# KiCad board LTC6811_ESP32_V3.kicad_pcb (continued)
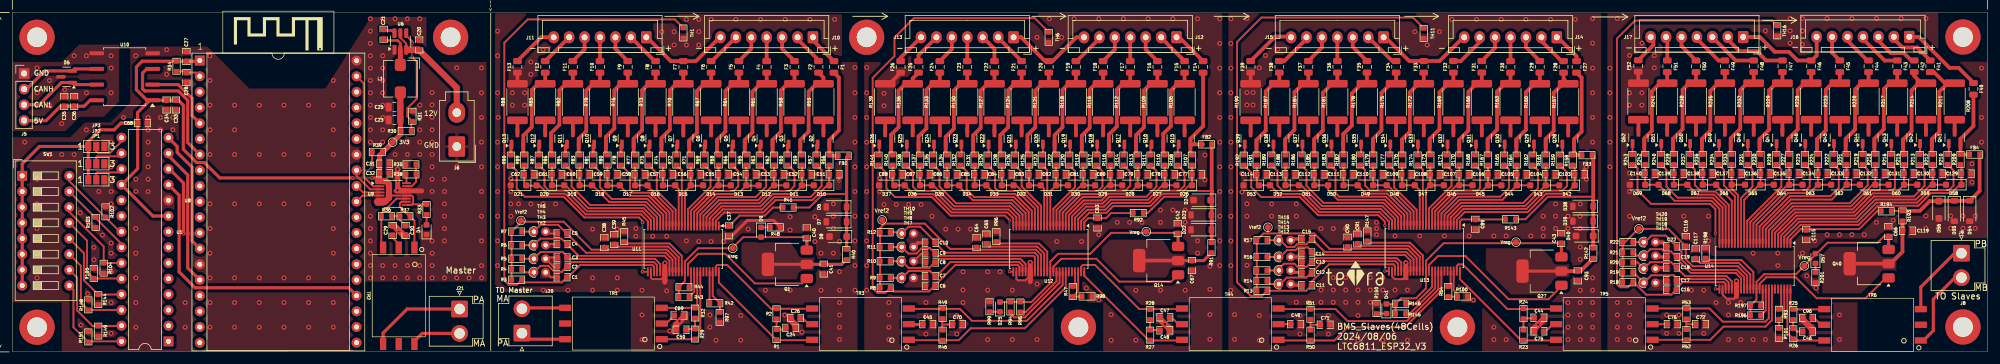
[diagram p0: board, top side]
## Placement (name value [footprint] x y rotation side) (continued)
R86  100R  [R_0603_1608Metric]  87.42 31.06 90 top
R87  3.3K  [R_0603_1608Metric]  85.3 31.06 90 top
R88  36R 1W 2512  [R_2512_6332Metric]  81.83 40.46 270 top
R89  100R  [R_0603_1608Metric]  82.92 31.06 90 top
R90  3.3K  [R_0603_1608Metric]  80.78 31.06 90 top
R91  100R  [R_0603_1608Metric]  194.25 16.86 270 top
R92  100R  [R_0603_1608Metric]  182.4 22.46 180 top
R93  1K  [R_0603_1608Metric]  286.2 6.06 270 top
R94  0  [R_0603_1608Metric]  161.7 7.25 90 top
R95  1M  [R_0603_1608Metric]  163.3 7.25 90 top
R96  0  [R_0603_1608Metric]  159.4 18.66 90 top
R97  1K  [R_0603_1608Metric]  114.6 5.56 270 top
R98  1K  [R_0603_1608Metric]  174.1 8.96 0 top
R99  1.2K  [R_0603_1608Metric]  158.3 7.27 90 top
R100  1K  [R_0603_1608Metric]  234.93 8.96 0 top
R101  1K  [R_0603_1608Metric]  286.2 2.96 270 top
R102  10K  [R_0603_1608Metric]  15.1 22.66 270 top
R103  10K  [R_0603_1608Metric]  13.5 20.96 90 top
R104  10K  [R_0603_1608Metric]  14.8 13.53 90 top
R105  10K  [R_0603_1608Metric]  13.2 12.68 270 top
R106  36R 1W 2512  [R_2512_6332Metric]  189.9 40.46 270 top
R107  100R  [R_0603_1608Metric]  191.1 31.06 90 top
R108  3.3K  [R_0603_1608Metric]  188.8 31.06 90 top
R109  36R 1W 2512  [R_2512_6332Metric]  185.5 40.46 270 top
R110  100R  [R_0603_1608Metric]  186.7 31.06 90 top
R111  3.3K  [R_0603_1608Metric]  184.4 31.06 90 top
R112  36R 1W 2512  [R_2512_6332Metric]  181.1 40.46 270 top
R113  100R  [R_0603_1608Metric]  182.3 31.06 90 top
R114  3.3K  [R_0603_1608Metric]  180 31.06 90 top
R115  36R 1W 2512  [R_2512_6332Metric]  176.7 40.46 270 top
R116  100R  [R_0603_1608Metric]  177.9 31.06 90 top
R117  3.3K  [R_0603_1608Metric]  175.6 31.06 90 top
R118  36R 1W 2512  [R_2512_6332Metric]  172.3 40.46 270 top
R119  100R  [R_0603_1608Metric]  173.5 31.06 90 top
R120  3.3K  [R_0603_1608Metric]  171.2 31.06 90 top
R121  36R 1W 2512  [R_2512_6332Metric]  167.9 40.46 270 top
R122  100R  [R_0603_1608Metric]  169.1 31.06 90 top
R123  3.3K  [R_0603_1608Metric]  166.8 31.06 90 top
R124  36R 1W 2512  [R_2512_6332Metric]  163.5 40.46 270 top
R125  100R  [R_0603_1608Metric]  164.7 31.06 90 top
R126  3.3K  [R_0603_1608Metric]  162.4 31.06 90 top
R127  36R 1W 2512  [R_2512_6332Metric]  159.1 40.46 270 top
R128  100R  [R_0603_1608Metric]  160.3 31.06 90 top
R129  3.3K  [R_0603_1608Metric]  158 31.06 90 top
R130  36R 1W 2512  [R_2512_6332Metric]  154.7 40.46 270 top
R131  100R  [R_0603_1608Metric]  155.9 31.06 90 top
R132  3.3K  [R_0603_1608Metric]  153.6 31.06 90 top
R133  36R 1W 2512  [R_2512_6332Metric]  150.25 40.46 270 top
R134  100R  [R_0603_1608Metric]  151.45 31.06 90 top
R135  3.3K  [R_0603_1608Metric]  149.15 31.06 90 top
R136  36R 1W 2512  [R_2512_6332Metric]  145.85 40.46 270 top
R137  100R  [R_0603_1608Metric]  147.05 31.06 90 top
R138  3.3K  [R_0603_1608Metric]  144.75 31.06 90 top
R139  36R 1W 2512  [R_2512_6332Metric]  141.4 40.46 270 top
R140  100R  [R_0603_1608Metric]  142.6 31.06 90 top
R141  3.3K  [R_0603_1608Metric]  140.3 31.06 90 top
R142  100R  [R_0603_1608Metric]  256.1 15.96 270 top
R143  100R  [R_0603_1608Metric]  242.7 21.46 180 top
R144  10K  [R_0603_1608Metric]  13.9 8.43 90 top
R145  0  [R_0603_1608Metric]  224.9 6.16 180 top
R146  1M  [R_0603_1608Metric]  224.9 7.76 180 top
R147  0  [R_0603_1608Metric]  219.5 18.76 90 top
R148  10K  [R_0603_1608Metric]  12.3 7.58 270 top
R149  10K  [R_0603_1608Metric]  13.9 3.33 90 top
R150  1.2K  [R_0603_1608Metric]  221 6.98 90 top
R151  10K  [R_0603_1608Metric]  12.3 2.38 270 top
R157  36R 1W 2512  [R_2512_6332Metric]  252.05 40.46 270 top
R158  100R  [R_0603_1608Metric]  252.8 31.06 90 top
R159  3.3K  [R_0603_1608Metric]  250.7 31.06 90 top
R160  36R 1W 2512  [R_2512_6332Metric]  247.45 40.46 270 top
R161  100R  [R_0603_1608Metric]  248.4 31.06 90 top
R162  3.3K  [R_0603_1608Metric]  246.3 31.06 90 top
R163  36R 1W 2512  [R_2512_6332Metric]  242.7 40.47 270 top
R164  100R  [R_0603_1608Metric]  243.73 31.06 90 top
R165  3.3K  [R_0603_1608Metric]  241.65 31.06 90 top
R166  36R 1W 2512  [R_2512_6332Metric]  238.05 40.47 270 top
R167  100R  [R_0603_1608Metric]  239.05 31.07 90 top
R168  3.3K  [R_0603_1608Metric]  236.95 31.07 90 top
R169  36R 1W 2512  [R_2512_6332Metric]  233.45 40.47 270 top
R170  100R  [R_0603_1608Metric]  234.4 31.07 90 top
R171  3.3K  [R_0603_1608Metric]  232.3 31.07 90 top
R172  36R 1W 2512  [R_2512_6332Metric]  228.65 40.47 270 top
R173  100R  [R_0603_1608Metric]  229.7 31.07 90 top
R174  3.3K  [R_0603_1608Metric]  227.65 31.07 90 top
R175  36R 1W 2512  [R_2512_6332Metric]  224.18 40.47 270 top
R176  100R  [R_0603_1608Metric]  225.15 31.07 90 top
R177  3.3K  [R_0603_1608Metric]  223.05 31.07 90 top
R178  36R 1W 2512  [R_2512_6332Metric]  219.45 40.47 270 top
R179  100R  [R_0603_1608Metric]  220.45 31.07 90 top
R180  3.3K  [R_0603_1608Metric]  218.35 31.07 90 top
R181  36R 1W 2512  [R_2512_6332Metric]  214.65 40.47 270 top
R182  100R  [R_0603_1608Metric]  215.65 31.07 90 top
R183  3.3K  [R_0603_1608Metric]  213.55 31.07 90 top
R184  36R 1W 2512  [R_2512_6332Metric]  209.95 40.47 270 top
R185  100R  [R_0603_1608Metric]  210.93 31.07 90 top
R186  3.3K  [R_0603_1608Metric]  208.82 31.07 90 top
R187  36R 1W 2512  [R_2512_6332Metric]  205.25 40.47 270 top
R188  100R  [R_0603_1608Metric]  206.25 31.07 90 top
R189  3.3K  [R_0603_1608Metric]  203.95 31.07 90 top
R190  36R 1W 2512  [R_2512_6332Metric]  200.6 40.46 270 top
R191  100R  [R_0603_1608Metric]  201.6 31.06 90 top
R192  3.3K  [R_0603_1608Metric]  199.5 31.06 90 top
R193  100R  [R_0603_1608Metric]  306.2 22 270 top
R194  100R  [R_0603_1608Metric]  303.57 22.76 180 top
R196  0  [R_0603_1608Metric]  282.4 5.86 180 top
R197  1M  [R_0603_1608Metric]  282.4 7.46 180 top
R198  0  [R_0603_1608Metric]  274.3 15.96 90 top
R201  1.2K  [R_0603_1608Metric]  292.1 12.03 270 top
R208  36R 1W 2512  [R_2512_6332Metric]  314.65 40.56 270 top
R209  100R  [R_0603_1608Metric]  315.6 31.16 90 top
R210  3.3K  [R_0603_1608Metric]  313.5 31.16 90 top
R211  36R 1W 2512  [R_2512_6332Metric]  310 40.56 270 top
R212  100R  [R_0603_1608Metric]  311.1 31.16 90 top
R213  3.3K  [R_0603_1608Metric]  309 31.16 90 top
R214  36R 1W 2512  [R_2512_6332Metric]  305.35 40.56 270 top
R215  100R  [R_0603_1608Metric]  306.45 31.16 90 top
R216  3.3K  [R_0603_1608Metric]  304.35 31.16 90 top
R217  36R 1W 2512  [R_2512_6332Metric]  300.7 40.56 270 top
R218  100R  [R_0603_1608Metric]  301.8 31.16 90 top
R219  3.3K  [R_0603_1608Metric]  299.7 31.16 90 top
R220  36R 1W 2512  [R_2512_6332Metric]  296.05 40.56 270 top
R221  100R  [R_0603_1608Metric]  297.15 31.16 90 top
R222  3.3K  [R_0603_1608Metric]  295.05 31.16 90 top
R223  36R 1W 2512  [R_2512_6332Metric]  291.4 40.56 270 top
R224  100R  [R_0603_1608Metric]  292.5 31.16 90 top
R225  3.3K  [R_0603_1608Metric]  290.4 31.16 90 top
R226  36R 1W 2512  [R_2512_6332Metric]  286.75 40.56 270 top
R227  100R  [R_0603_1608Metric]  287.85 31.16 90 top
R228  3.3K  [R_0603_1608Metric]  285.75 31.16 90 top
R229  36R 1W 2512  [R_2512_6332Metric]  282.1 40.56 270 top
R230  100R  [R_0603_1608Metric]  283.2 31.16 90 top
R231  3.3K  [R_0603_1608Metric]  281.1 31.16 90 top
R232  36R 1W 2512  [R_2512_6332Metric]  277.43 40.56 270 top
R233  100R  [R_0603_1608Metric]  278.52 31.16 90 top
R234  3.3K  [R_0603_1608Metric]  276.43 31.16 90 top
R235  36R 1W 2512  [R_2512_6332Metric]  272.75 40.56 270 top
R236  100R  [R_0603_1608Metric]  273.85 31.16 90 top
R237  3.3K  [R_0603_1608Metric]  271.75 31.16 90 top
R238  36R 1W 2512  [R_2512_6332Metric]  268.07 40.56 270 top
R239  100R  [R_0603_1608Metric]  269.18 31.16 90 top
R240  3.3K  [R_0603_1608Metric]  267.07 31.16 90 top
R241  36R 1W 2512  [R_2512_6332Metric]  263.43 40.56 270 top
R242  100R  [R_0603_1608Metric]  264.52 31.16 90 top
R243  3.3K  [R_0603_1608Metric]  262.43 31.13 90 top
SW1  SW_DIP_x08  [SW_DIP_SPSTx08_Slide_9.78x22.5mm_W7.62mm_P2.54mm]  1.6 28.5 0 top
TH1  100K NTC SMD  [R_0603_1608Metric]  108.7 51.66 270 top
TH2  10K NTC  [R_Axial_DIN0204_L3.6mm_D1.6mm_P1.90mm_Vertical]  84.5 12.86 0 top
TH3  10K NTC  [R_Axial_DIN0204_L3.6mm_D1.6mm_P1.90mm_Vertical]  84.5 15.06 0 top
TH4  10K NTC  [R_Axial_DIN0204_L3.6mm_D1.6mm_P1.90mm_Vertical]  84.5 17.26 0 top
TH5  10K NTC  [R_Axial_DIN0204_L3.6mm_D1.6mm_P1.90mm_Vertical]  84.5 19.46 0 top
TH6  100K NTC SMD  [R_0603_1608Metric]  167.9 50.96 270 top
TH7  10K NTC  [R_Axial_DIN0204_L3.6mm_D1.6mm_P1.90mm_Vertical]  144.09 11.96 0 top
TH8  10K NTC  [R_Axial_DIN0204_L3.6mm_D1.6mm_P1.90mm_Vertical]  144.09 14.66 0 top
TH9  10K NTC  [R_Axial_DIN0204_L3.6mm_D1.6mm_P1.90mm_Vertical]  144.09 16.96 0 top
TH10  10K NTC  [R_Axial_DIN0204_L3.6mm_D1.6mm_P1.90mm_Vertical]  144.09 19.16 0 top
TH11  100K NTC SMD  [R_0603_1608Metric]  228.65 51.6 270 top
TH12  10K NTC  [R_Axial_DIN0204_L3.6mm_D1.6mm_P1.90mm_Vertical]  205.19 10.96 0 top
TH13  10K NTC  [R_Axial_DIN0204_L3.6mm_D1.6mm_P1.90mm_Vertical]  205.19 13.16 0 top
TH14  10K NTC  [R_Axial_DIN0204_L3.6mm_D1.6mm_P1.90mm_Vertical]  205.19 15.36 0 top
TH15  10K NTC  [R_Axial_DIN0204_L3.6mm_D1.6mm_P1.90mm_Vertical]  205.19 18.06 0 top
TH16  100K NTC SMD  [R_0603_1608Metric]  285.9 52 270 top
TH17  10K NTC  [R_Axial_DIN0204_L3.6mm_D1.6mm_P1.90mm_Vertical]  264.3 11.16 0 top
TH18  10K NTC  [R_Axial_DIN0204_L3.6mm_D1.6mm_P1.90mm_Vertical]  264.3 13.46 0 top
TH19  10K NTC  [R_Axial_DIN0204_L3.6mm_D1.6mm_P1.90mm_Vertical]  264.3 15.56 0 top
TH20  10K NTC  [R_Axial_DIN0204_L3.6mm_D1.6mm_P1.90mm_Vertical]  264.3 17.76 0 top
TP2  3V3  [TestPoint_Pad_D1.0mm]  61.6 33.96 180 top
TP3  Vreg  [TestPoint_Pad_D1.0mm]  116.7 16.76 0 top
TP4  Vref2  [TestPoint_Pad_D1.0mm]  82.4 21.26 0 top
TP5  Vreg  [TestPoint_Pad_D1.0mm]  183.7 19.46 0 top
TP6  Vref2  [TestPoint_Pad_D1.0mm]  140.9 21.36 0 top
TP7  Vreg  [TestPoint_Pad_D1.0mm]  243.6 17.76 0 top
TP8  Vref2  [TestPoint_Pad_D1.0mm]  203.4 20.16 0 top
TP9  Vreg  [TestPoint_Pad_D1.0mm]  290.3 13.9 0 top
TP10  Vref2  [TestPoint_Pad_D1.0mm]  263.5 19.91 0 top
TR1  -  [HM2108NL]  97.38 4.56 90 top
TR2  -  [HM2108NL]  62.6 9.06 180 top
TR3  -  [HM2108NL]  137.4 4.46 90 top
TR4  -  [HM2108NL]  197.3 4.46 90 top
TR5  -  [HM2108NL]  257.9 4.46 90 top
TR6  -  [HM2108NL]  301.35 4.36 90 top
U1  MCP23S17_SP  [DIP-28_W7.62mm]  25.3 1.67 180 top
U6  LMR51420XDDCR  [SOT-23-6_Handsoldering]  62.86 50.27 90 top
U8  ESP32-DevKitC V4  [ESP32-DevKitc V4_DIP-38_27.9mm×48.2mm]  29.09 0.19 0 top
U9  LTC6820  [MSOP-16_3x4mm_P0.5mm]  61.7 25.56 0 top
U10  ISO1050DUBR  [SOP-8_6.62x9.15mm_P2.54mm]  18.2 44.56 180 top
U11  LTC6811HG-1  [TSSOP-48_6.1x12.5mm_P0.5mm]  108.7 16.66 270 top
U12  LTC6811HG-1  [TSSOP-48_6.1x12.5mm_P0.5mm]  167.9 16.66 270 top
U13  LTC6811HG-1  [TSSOP-48_6.1x12.5mm_P0.5mm]  228.75 16.77 270 top
U14  LTC6811HG-1  [TSSOP-48_6.1x12.5mm_P0.5mm]  282.3 13.86 270 top

## Library data of the parts
C1-C19 C22 C32 C34 C36 C37 C41 C51-C63 C67 C77-C89 C93 C103-C115 C119 C129-C140 = -: Datasheet: https://www.digikey.jp/en/products/detail/samsung-electro-mechanics/CL10B104KC8NNNC/5961291?s=N4IgTCBcDaIMIBkCMAGAQqgLAaTgDgDki4AdEkAXQF8g; Description: 0.1 µF ±10% 100V Ceramic Capacitor X7R 0603 (1608 Metric); MPN: CL10B104KC8NNNC; Link: https://www.digikey.jp/en/products/detail/samsung-electro-mechanics/CL10B104KC8NNNC/5961291?s=N4IgTCBcDaIMIBkCMAGAQqgLAaTgDgDki4QBdAXyA; ki_fp_filters: C_*
C20 = -: Datasheet: https://search.murata.co.jp/Ceramy/image/img/A01X/G101/ENG/GRM188R61E225KA12-01.pdf; Description: 2.2 µF ±10% 25V Ceramic Capacitor X5R 0603 (1608 Metric); MPN: GRM188R61E225KA12D; Link: https://www.digikey.jp/en/products/detail/murata-electronics/GRM188R61E225KA12D/4905349; ki_fp_filters: C_*
C21 C27 C28 C68 = -: Datasheet: https://www.digikey.jp/en/products/detail/samsung-electro-mechanics/CL10B104KC8NNNC/5961291?s=N4IgTCBcDaIMIBkCMAGAQqgLAaTgDgDki4AdEkAXQF8g; Description: 0.1 µF ±10% 100V Ceramic Capacitor X7R 0603 (1608 Metric); Link: https://www.digikey.jp/en/products/detail/samsung-electro-mechanics/CL10B104KC8NNNC/5961291?s=N4IgTCBcDaIMIBkCMAGAQqgLAaTgDgDki4QBdAXyA; MPN: CL10B104KC8NNNC; ki_fp_filters: C_*
C23 C25 = -: Datasheet: https://mm.digikey.com/Volume0/opasdata/d220001/medias/docus/609/CL21A106KOQNNNE_Spec.pdf; Description: 10 µF ±10% 16V Ceramic Capacitor X5R 0805 (2012 Metric); MPN: CL21A106KOQNNNE; Link: https://www.digikey.jp/en/products/detail/samsung-electro-mechanics/CL21A106KOQNNNE/3886754; ki_fp_filters: C_*
C24 C26 C29 C30 C44-C50 C69-C72 C75 C76 C96 = -: Datasheet: https://content.kemet.com/datasheets/KEM_X7R_FT_VW_AUDI.pdf; Description: 10000 pF ±10% 100V Ceramic Capacitor X7R 0603 (1608 Metric); MPN: C0603X103K1RAC3316; Link: https://www.digikey.jp/en/products/detail/kemet/C0603X103K1RAC3316/10315782; ki_fp_filters: C_*
C31 C33 C35 C38 C39 C64 C65 C90 C91 C116 C117 = -: Datasheet: https://mm.digikey.com/Volume0/opasdata/d220001/medias/docus/4562/0603B105K250XD.pdf; Description: 1 µF ±10% 25V Ceramic Capacitor X7R 0603 (1608 Metric); MPN: 0603B105K250XD; Link: https://www.digikey.jp/en/products/detail/nextgen-components/0603B105K250XD/14670931; ki_fp_filters: C_*
C40 C42 C43 C66 = -: Datasheet: https://mm.digikey.com/Volume0/opasdata/d220001/medias/docus/2328/CL10A475KO8NNNC_Spec.pdf; Description: 4.7 µF ±10% 16V Ceramic Capacitor X5R 0603 (1608 Metric); MPN: CL10A475KO8NNNC; 购买链接: https://www.digikey.jp/en/products/detail/samsung-electro-mechanics/CL10A475KO8NNNC/3887442; ki_fp_filters: C_*
D4 D9 D25 D41 D57 = -: Datasheet: https://optoelectronics.liteon.com/upload/download/DS-22-99-0151/LTST-C190KRKT.pdf; Description: Red 631nm LED Indication - Discrete 2V 0603 (1608 Metric); Link: https://www.digikey.jp/en/products/detail/liteon/LTST-C190KRKT/386817; MPN: LTST-C190KRKT; ki_fp_filters: LED* LED_SMD:* LED_THT:*
D5 = -: Datasheet: https://www.infineon.com/dgdl/Infineon-ESD24VS2U-DS-v01_01-en.pdf?fileId=db3a3043340fff53013413a2249d2ff3; Description: 41V Clamp 5A (8/20µs) Ipp Tvs Diode Surface Mount PG-SOT23; MPN: ESD24VS2UE6327HTSA1; Link: https://www.digikey.jp/en/products/detail/infineon-technologies/ESD24VS2UE6327HTSA1/1785650; ki_fp_filters: SOT?23*
D6 D7 D22 D23 D38 D39 D54 D55 = -: Datasheet: https://www.diodes.com/assets/Datasheets/BAV16W_1N4148W.pdf; Description: Diode 100 V 300mA Surface Mount SOD-123; MPN: 1N4148W-7-F; Link: https://www.digikey.jp/en/products/detail/diodes-incorporated/1N4148W-7-F/814371; ki_fp_filters: D*SOD?123*
D8 D24 D40 D56 = -: Datasheet: https://assets.nexperia.com/documents/data-sheet/BZT52H_SER.pdf; Description: Zener Diode 62 V 375 mW ±5% Surface Mount SOD-123F; MPN: BZT52H-C62,115; Link: https://www.digikey.jp/en/products/detail/nexperia-usa-inc/BZT52H-C62-115/1162867; ki_fp_filters: D?SOD?123F*
D10-D21 D26-D37 D42-D53 D58-D69 = -: Datasheet: https://assets.nexperia.com/documents/data-sheet/PDZ-B_SER.pdf; Description: Zener Diode 7.6 V 400 mW ±2% Surface Mount SOD-323; MPN: PDZ7.5BZ; Link: https://www.digikey.jp/en/products/detail/nexperia-usa-inc/PDZ7-5BZ/7495708; ki_fp_filters: TO-???* *_Diode_* *SingleDiode* D_*
F1-F52 = -: Datasheet: https://product.tdk.com/en/system/files?file=dam/doc/product/emc/emc/beads/catalog/beads_automotive_power_mpz2012_en.pdf; Description: 1 kOhms @ 100 MHz 1 Power Line Ferrite Bead 0805 (2012 Metric) 1.5A 150mOhm; Link: https://www.digikey.jp/en/products/detail/tdk-corporation/MPZ2012S102ATD25/5040327?s=N4IgTCBcDaILIAUBaYAMBGMBldqwEEAVAETAFYQBdAXyA; ki_fp_filters: *Fuse*
FB1-FB4 = -: Datasheet: https://www.murata.com/en-us/products/productdata/8796738650142/ENFA0003.pdf; Description: 33 Ohms @ 100 MHz 1 Power Line Ferrite Bead 0603 (1608 Metric) 3A 25mOhm; Link: https://www.digikey.jp/en/products/detail/murata-electronics/BLM18PG330SN1D/1948325?s=N4IgTCBcDaIEIBkCyBGAHABQOIGYcAYBlAORQBEQBdAXyA; ki_fp_filters: Inductor_* L_* *Ferrite*
J1-J4 J7 J8 J18 J19 = -: MPN: N/A; ki_fp_filters: Connector*:*_1x??_*
J5 = -: Datasheet: https://cdn.amphenol-cs.com/media/wysiwyg/files/drawing/g800wxxxxxxeu_1.pdf; Description: Connector Header Through Hole 4 position 0.100" (2.54mm); Link: https://www.digikey.jp/en/products/detail/amphenol-cs-commercial-products/G800W304018EU/13682993; MPN: G800W304018EU; ki_fp_filters: Connector*:*_1x??_*
J6 = -: Datasheet: https://tools.molex.com/pdm_docs/sd/039281023_sd.pdf; Description: Connector Header Through Hole 2 position; MPN: 0039281023; Link: https://www.digikey.jp/en/products/detail/molex/0039281023/61397; ki_fp_filters: Connector*:*_1x??_*
J9 J20 J21 = -: Datasheet: https://tools.molex.com/pdm_docs/sd/705430001_sd.pdf; Description: Connector Header Through Hole 2 position 0.100" (2.54mm); MPN: 70543-0001; Link: https://www.digikey.jp/en/products/detail/molex/0705430001/114915?s=N4IgTCBcDaIOwAYCsAWAzAWgdgjCAugL5A; ki_fp_filters: Connector*:*_1x??_*
J10-J17 = -: Datasheet: https://www.jst-mfg.com/product/pdf/eng/eXH.pdf; Description: Connector Header Through Hole 7 position 0.098" (2.50mm); Link: https://www.digikey.jp/en/products/detail/jst-sales-america-inc/B7B-XH-A/1651050; ki_fp_filters: Connector*:*_1x??_*
JP1-JP3 = -: ki_fp_filters: SolderJumper*Bridged12*
L1 = -: Datasheet: https://www.bourns.com/docs/Product-Datasheets/SRP5030CC.pdf; Description: 3.3 µH Shielded Wirewound Inductor 5 A 38mOhm Max Nonstandard; MPN: SRP5030CC-3R3M; Link: https://www.digikey.jp/en/products/detail/bourns-inc/SRP5030CC-3R3M/21263799?s=N4IgTCBcDaIMoCUAKBWADAZjQYWwWgwQwFkQBdAXyA; ki_fp_filters: Choke_* *Coil* Inductor_* L_*
Q1 Q14 Q27 Q40 = -: Datasheet: https://www.onsemi.com/pdf/datasheet/nss1c201mz4-d.pdf; Description: Bipolar (BJT) Transistor NPN 100 V 2 A 100MHz 800 mW Surface Mount SOT-223 (TO-261); MPN: NSV1C201MZ4T1G; Link: https://www.digikey.jp/en/products/detail/onsemi/NSV1C201MZ4T1G/4848737?s=N4IgTCBcDaIHIGUBqBGAwmADCgsgLQBYQBdAXyA
Q2-Q13 Q15-Q26 Q28-Q39 Q41-Q52 = -: Datasheet: https://www.taiwansemi.com/assets/uploads/datasheet/TSM2323_F15.pdf; Description: P-Channel 20 V 4.7A (Ta) 1.25W (Ta) Surface Mount SOT-23; MPN: TSM2323CX RFG; Link: https://www.digikey.jp/en/products/detail/taiwan-semiconductor-corporation/TSM2323CX-RFG/7360264?s=N4IgTCBcDaICoGUCyYDMaDCANABAJQDEBxHEAXQF8g
R1 R2 R23 R24 R36 R37 R49 = -: Datasheet: https://industrial.panasonic.com/cdbs/www-data/pdf/RDA0000/AOA0000C304.pdf; Description: 49.9 Ohms ±1% 0.1W, 1/10W Chip Resistor 0603 (1608 Metric) Automotive AEC-Q200 Thick Film; MPN: ERJ-3EKF49R9V; Link: https://www.digikey.jp/en/products/detail/panasonic-electronic-components/ERJ-3EKF49R9V/196378; ki_fp_filters: R_*
R3-R22 R102-R105 R144 R148 R149 R151 = -: Datasheet: https://www.seielect.com/catalog/sei-rmcf_rmcp.pdf; Description: 10 kOhms ±5% 0.1W, 1/10W Chip Resistor 0603 (1608 Metric) Automotive AEC-Q200 Thick Film; MPN: RMCF0603JT10K0; Link: https://www.digikey.jp/en/products/detail/stackpole-electronics-inc/RMCF0603JT10K0/1758104; ki_fp_filters: R_*
R25 R26 R29 R32 = -: Datasheet: https://www.yageo.com/upload/media/product/productsearch/datasheet/rchip/PYu-RC_Group_51_RoHS_L_12.pdf; Description: 51 Ohms ±5% 0.1W, 1/10W Chip Resistor 0603 (1608 Metric) Moisture Resistant Thick Film; Link: https://www.digikey.jp/en/products/detail/yageo/RC0603JR-0751RL/726803?s=N4IgTCBcDaIEoGEAMA2JBmAUnAtEg7AKwCMcAMiALoC%2BQA; MPN: RC0603JR-0751RL; ki_fp_filters: R_*
R27 R28 R46 R50-R53 = -: Datasheet: https://industrial.panasonic.com/cdbs/www-data/pdf/RDA0000/AOA0000C304.pdf; Description: 49.9 Ohms ±1% 0.1W, 1/10W Chip Resistor 0603 (1608 Metric) Automotive AEC-Q200 Thick Film; Link: https://www.digikey.jp/en/products/detail/panasonic-electronic-components/ERJ-3EKF49R9V/196378; MPN: ERJ-3EKF49R9V; ki_fp_filters: R_*
R30 = -: Datasheet: https://www.yageo.com/upload/media/product/app/datasheet/rchip/pyu-rc_group_51_rohs_l.pdf; Description: 100 kOhms ±5% 0.1W, 1/10W Chip Resistor 0603 (1608 Metric) Moisture Resistant Thick Film; MPN: RC0603JR-07100KL; Link: https://www.digikey.jp/en/products/detail/yageo/RC0603JR-07100KL/726698?s=N4IgTCBcDaIEoGEAMA2JBmAUnAtEg7AIxJIDSAMiALoC%2BQA; ki_fp_filters: R_*
R31 = -: Datasheet: https://www.seielect.com/catalog/sei-rmcf_rmcp.pdf; Description: 22.1 kOhms ±1% 0.1W, 1/10W Chip Resistor 0603 (1608 Metric) Automotive AEC-Q200 Thick Film; Link: https://www.digikey.jp/en/products/detail/stackpole-electronics-inc/RMCF0603FT22K1/1760764; MPN: RMCF0603FT22K1; ki_fp_filters: R_*
R33 = -: Datasheet: https://www.yageo.com/upload/media/product/products/datasheet/rchip/PYu-RC_Group_51_RoHS_L_12.pdf; Description: 470 Ohms ±5% 0.1W, 1/10W Chip Resistor 0603 (1608 Metric) Moisture Resistant Thick Film; MPN: RC0603JR-07470RL; Link: https://www.digikey.jp/en/products/detail/yageo/RC0603JR-07470RL/726791?s=N4IgTCBcDaIEoGEAMA2JBmAUnAtEg7ACz5JwAyIAugL5A; ki_fp_filters: R_*
R34 = -: Datasheet: https://www.seielect.com/catalog/sei-rmcf_rmcp.pdf; Description: 10 kOhms ±5% 0.1W, 1/10W Chip Resistor 0603 (1608 Metric) Automotive AEC-Q200 Thick Film; Link: https://www.digikey.jp/en/products/detail/stackpole-electronics-inc/RMCF0603JT10K0/1758104; MPN: RMCF0603JT10K0; ki_fp_filters: R_*
R35 R38 R42 R47 R54 R93 R97 R98 R100 R101 = -: ki_fp_filters: R_*
R39 = -: Datasheet: https://www.yageo.com/upload/media/product/app/datasheet/rchip/pyu-rc_group_51_rohs_l.pdf; Description: 2 kOhms ±1% 0.1W, 1/10W Chip Resistor 0603 (1608 Metric) Moisture Resistant Thick Film; MPN: RC0603FR-072KL; Link: https://www.digikey.jp/en/products/detail/yageo/RC0603FR-072KL/727009?s=N4IgTCBcDaIEoGEAMA2JBmAYnAtEg7GANIAyIAugL5A; ki_fp_filters: R_*
R40 R41 R56 R59 R62 R65 R68 R71 R74 R77 R80 R83 R86 R89 R91 R92 R107 R110 R113 R116 R119 R122 R125 R128 R131 R134 R137 R140 R142 R143 R158 R161 R164 R167 R170 R173 R176 R179 R182 R185 R188 R191 R193 R194 R209 R212 R215 R218 R221 R224 R227 R230 R233 R236 R239 R242 = -: Datasheet: https://www.yageo.com/upload/media/product/app/datasheet/rchip/pyu-rc_group_51_rohs_l.pdf; Description: 100 Ohms ±1% 0.1W, 1/10W Chip Resistor 0603 (1608 Metric) Moisture Resistant Thick Film; MPN: RC0603FR-07100RL; Link: https://www.digikey.jp/en/products/detail/yageo/RC0603FR-07100RL/726888?s=N4IgTCBcDaIEoGEAMA2JBmAYnAtEg7AIxJJwAyIAugL5A; ki_fp_filters: R_*
R43 R45 R94 R96 R145 R147 R196 R198 = -: Datasheet: https://www.yageo.com/upload/media/product/products/datasheet/rchip/PYu-RC_Group_51_RoHS_L_12.pdf; Description: 0 Ohms Jumper Chip Resistor 0603 (1608 Metric) Moisture Resistant Thick Film; MPN: RC0603JR-070RL; Link: https://www.digikey.jp/en/products/detail/yageo/RC0603JR-070RL/726675?s=N4IgTCBcDaIEoGEAMA2JBmAUnAtEg7EnADIgC6AvkA; ki_fp_filters: R_*
R44 R95 R146 R197 = -: Datasheet: https://www.yageo.com/upload/media/product/app/datasheet/rchip/pyu-rc_group_51_rohs_l.pdf; Description: 1 MOhms ±5% 0.1W, 1/10W Chip Resistor 0603 (1608 Metric) Moisture Resistant Thick Film; MPN: RC0603JR-071ML; Link: https://www.digikey.jp/en/products/detail/yageo/RC0603JR-071ML/726678?s=N4IgTCBcDaIEoGEAMA2JBmAUnAtEg7AIwCyAMiALoC%2BQA; ki_fp_filters: R_*
R48 R99 R150 R201 = -: Datasheet: https://www.yageo.com/upload/media/product/productsearch/datasheet/rchip/PYu-RC_Group_51_RoHS_L_12.pdf; Description: 1.2 kOhms ±5% 0.1W, 1/10W Chip Resistor 0603 (1608 Metric) Moisture Resistant Thick Film; MPN: RC0603JR-071K2L; Link: https://www.digikey.jp/en/products/detail/yageo/RC0603JR-071K2L/726683?s=N4IgTCBcDaIEoGEAMA2JBmAUnAtEg7AIwDSYAMiALoC%2BQA; ki_fp_filters: R_*
R55 R58 R61 R64 R67 R70 R73 R76 R79 R82 R85 R88 R106 R109 R112 R115 R118 R121 R124 R127 R130 R133 R136 R139 R157 R160 R163 R166 R169 R172 R175 R178 R181 R184 R187 R190 R208 R211 R214 R217 R220 R223 R226 R229 R232 R235 R238 R241 = -: Datasheet: https://www.seielect.com/catalog/sei-rmcf_rmcp.pdf; Description: 36 Ohms ±5% 1W Chip Resistor 2512 (6432 Metric) Automotive AEC-Q200 Thick Film; MPN: RTT25360JTE; Link: https://www.digikey.jp/en/products/detail/stackpole-electronics-inc/RMCF2512JT36R0/1716346; ki_fp_filters: R_*
R57 R60 R63 R66 R69 R72 R75 R78 R81 R84 R87 R90 R108 R111 R114 R117 R120 R123 R126 R129 R132 R135 R138 R141 R159 R162 R165 R168 R171 R174 R177 R180 R183 R186 R189 R192 R210 R213 R216 R219 R222 R225 R228 R231 R234 R237 R240 R243 = -: Datasheet: https://www.yageo.com/upload/media/product/app/datasheet/rchip/pyu-rc_group_51_rohs_l.pdf; Description: 3.3 kOhms ±1% 0.1W, 1/10W Chip Resistor 0603 (1608 Metric) Moisture Resistant Thick Film; MPN: RC0603FR-073K3L; Link: https://www.digikey.jp/en/products/detail/yageo/RC0603FR-073K3L/727126?s=N4IgTCBcDaIEoGEAMA2JBmAYnAtEg7OgNboAyIAugL5A; ki_fp_filters: R_*
SW1 = -: ki_fp_filters: SW?DIP?x8*
TH1 TH6 TH11 TH16 = -: Datasheet: https://www.tdk-electronics.tdk.com/inf/50/db/ntc/NTC_SMD_Automotive_series_0603.pdf?ref_disty=digikey; Description: NTC Thermistor 100k 0603 (1608 Metric); MPN: B57355V5104F360; Link: https://www.digikey.jp/en/products/detail/epcos-tdk-electronics/B57355V5104F360/7347813?s=N4IgTCBcDaIEIFYDsBmBCBqCCMAGALAGIoBsuIAugL5A; ki_fp_filters: R_*
TH2-TH5 TH7-TH10 TH12-TH15 TH17-TH20 = -: Datasheet: https://www.cantherm.com/wp-content/uploads/2017/05/cantherm_mf52_1.pdf; Description: THERMISTOR NTC 10KOHM 3380K BEAD; MPN: MF52C1103F3380; Link: https://www.digikey.jp/en/products/detail/cantherm/MF52C1103F3380/1840604; ki_fp_filters: R_*
TP2-TP10 = -: ki_fp_filters: Pin* Test*
TR1-TR6 = -: Datasheet: https://productfinder.pulseelectronics.com/api/open/part-attachments/datasheet/HM2108NL; Description: 135µH Pulse Transformer Surface Mount; Link: https://www.digikey.jp/en/products/detail/pulse-electronics/HM2108NL/7914611
U1 = -: Datasheet: http://ww1.microchip.com/downloads/en/DeviceDoc/20001952C.pdf; ki_fp_filters: DIP*W7.62mm*
U6 = -: Datasheet: https://www.ti.com/lit/ds/symlink/lmr51420.pdf; Description: Buck Switching Regulator IC Positive Adjustable 0.6V 1 Output 2A SOT-23-6 Thin, TSOT-23-6; Link: https://www.digikey.jp/en/products/detail/texas-instruments/LMR51420XDDCR/16705125?s=N4IgTCBcDaIDIFkBKBWAjAFjABgBoBF8BhJEAXQF8g
U8 = -: Datasheet: https://mm.digikey.com/Volume0/opasdata/d220001/medias/docus/754/ESP32-DevKitC_GSG_Ver1.4_2017.pdf; Description: - ESP32-WROOM-32E Transceiver; 802.11 b/g/n (Wi-Fi, WiFi, WLAN), Bluetooth® Smart Ready 4.x Dual Mode 2.4GHz Evaluation Board; Link: https://www.digikey.jp/en/products/detail/espressif-systems/ESP32-DEVKITC-32E/12091810; MPN: ESP32-DEVKITC-32E; ki_fp_filters: ESP32­S3­WROOM­1U_EXP
U9 = -: Datasheet: https://www.analog.com/media/en/technical-documentation/data-sheets/LTC6820.pdf; Description: Isolated Communications Interface Interface 16-MSOP; MPN: LTC6820IMS#PBF; Link: https://www.digikey.jp/en/products/detail/analog-devices-inc/LTC6820IMS-PBF/3838555?s=N4IgTCBcDaIDIBUDCA2AHGADASQLIGUBiABQCEAxAAhAF0BfIA
